# KiCad board EKO_Miner_BM1366-13xx_16-01A.kicad_pcb (continued)
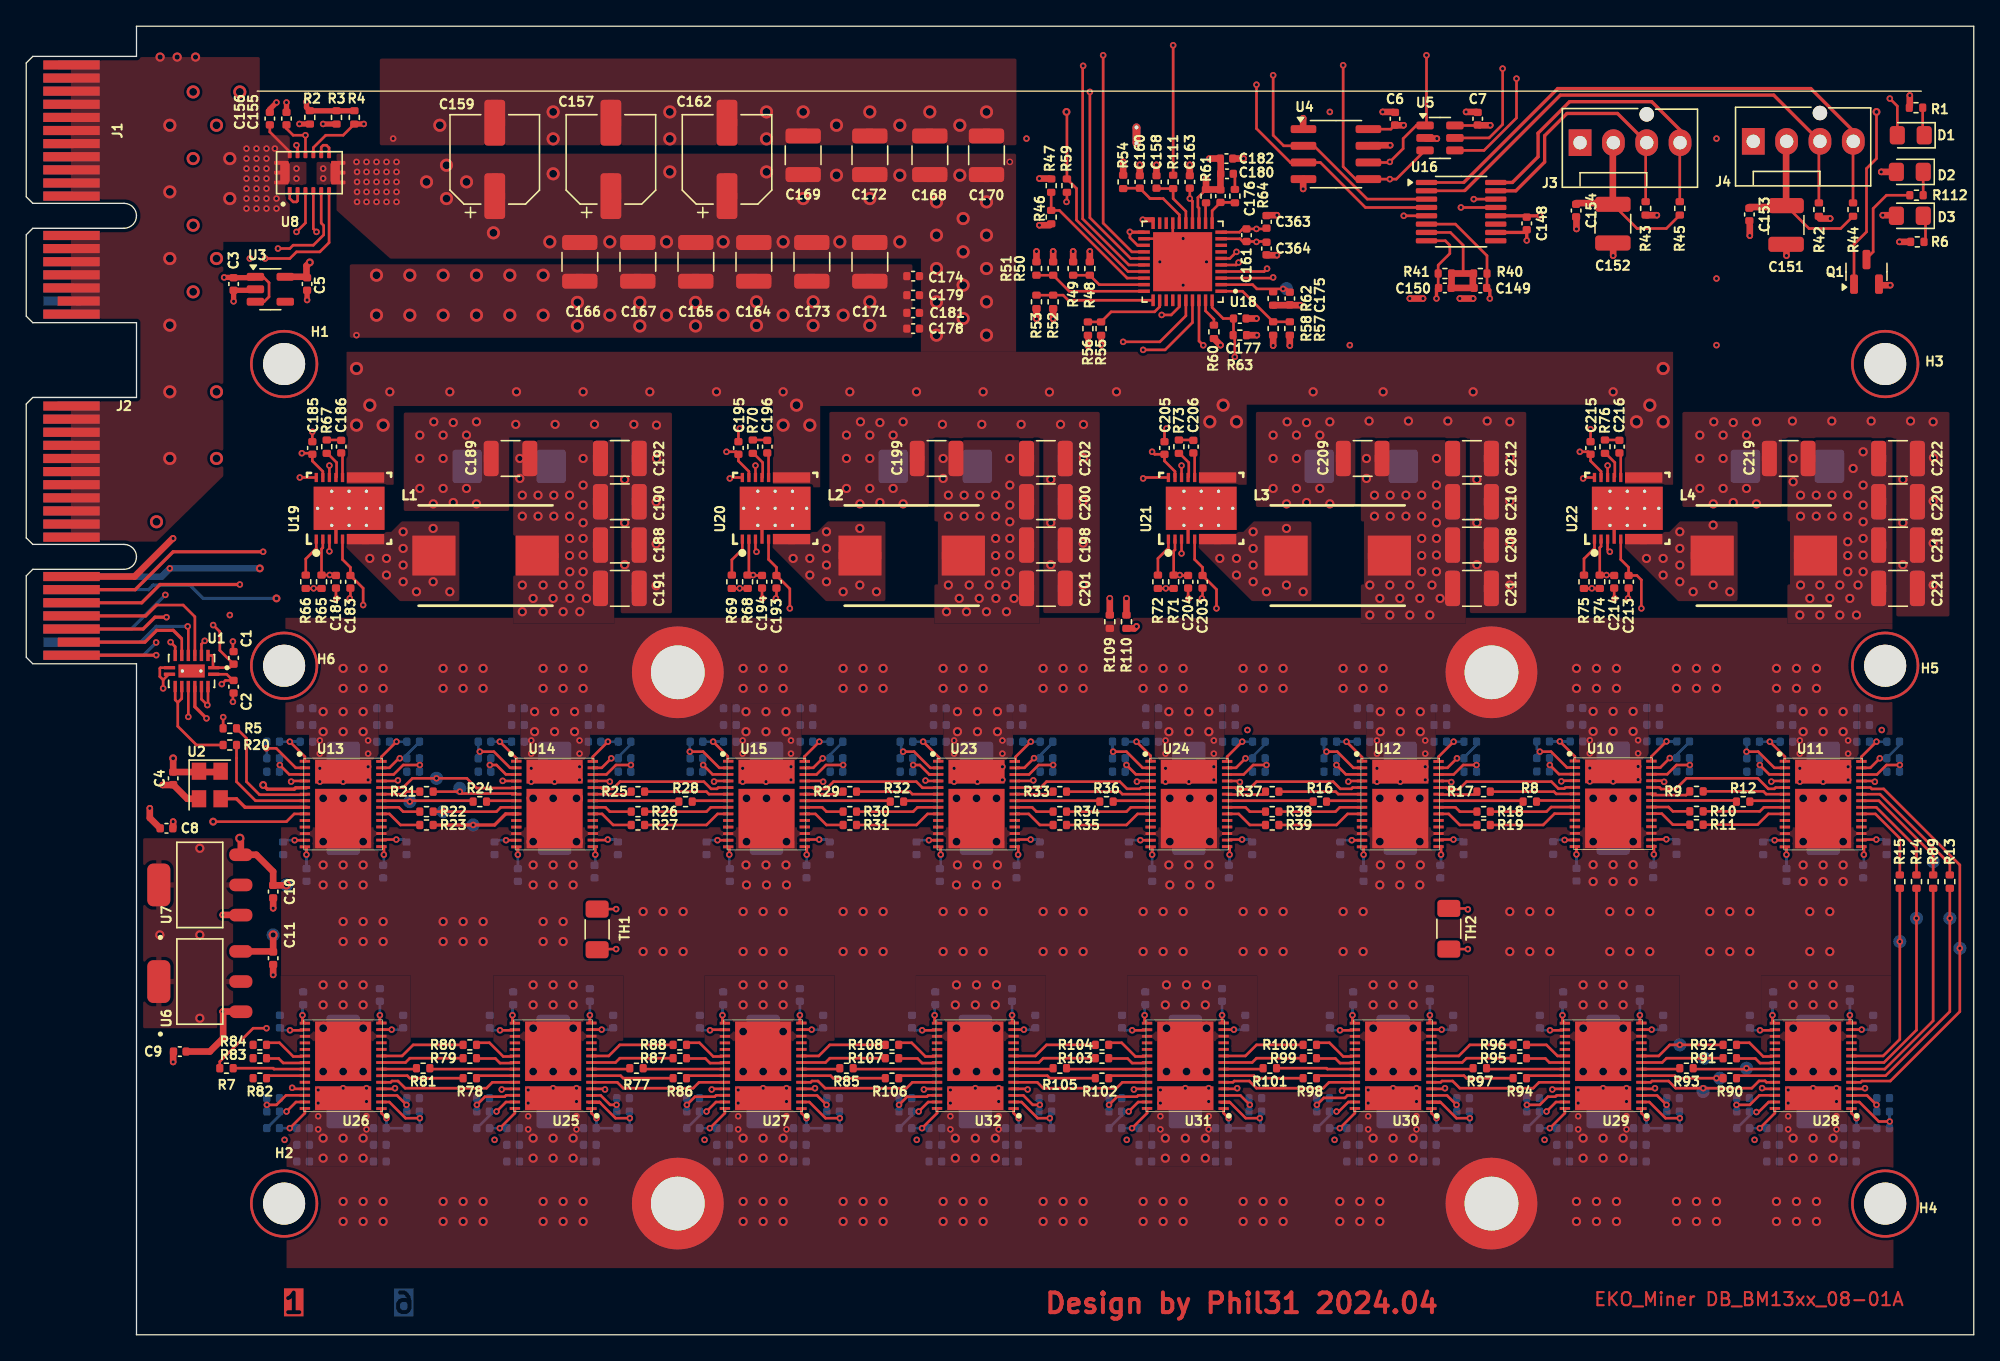
[diagram p0: board, top side]
## Nets (continued)
GND: C1.2 C2.2 C3.2 C4.2 C5.2 C6.2 C7.2 C8.2 C9.2 C10.2 C11.2 C16.1 C18.2 C20.2 C22.2 C23.2 C24.2 C25.2 C26.2 C28.2 C30.2 C32.2 C33.1 C35.2 C37.2 C39.2 C40.2 C41.2 C42.2 C43.2 C45.2 C47.2 C49.2 C50.1 C52.2 C54.2 C56.2 C57.2 C58.2 C59.2 C60.2 C62.2 C64.2 C66.2 C67.1 C69.2 C71.2 C73.2 C74.2 C75.2 C76.2 C77.2 C79.2 C81.2 C83.2 C84.1 C86.2 C88.2 C90.2 C91.2 C92.2 C93.2 C94.2 C96.2 C98.2 C100.2 C101.1 C103.2 C105.2 C107.2 C108.2 C109.2 C110.2 C111.2 C113.2 C115.2 C117.2 C118.1 C120.2 C122.2 C124.2 C125.2 C126.2 C127.2 C128.2 C130.2 C132.2 C134.2 C135.1 C137.2 C139.2 C141.2 C142.2 C143.2 C144.2 C145.2 C147.2 C148.2 C151.2 C152.2 C153.2 C154.2 C155.2 C156.2 C157.2 C158.2 C159.2 C160.2 C162.2 C164.2 C165.2 C166.2 C167.2 C168.2 C169.2 C170.2 C171.2 C172.2 C173.2 C174.2 C178.2 C179.2 C181.2 C183.2 C184.2 C185.2 C187.2 C188.2 C189.2 C190.2 C191.2 C192.2 C193.2 C194.2 C195.2 C197.2 C198.2 C199.2 C200.2 C201.2 C202.2 C203.2 C204.2 C205.2 C207.2 C208.2 C209.2 C210.2 C211.2 C212.2 C213.2 C214.2 C215.2 C217.2 C218.2 C219.2 C220.2 C221.2 C222.2 C224.2 C226.2 C227.1 C229.2 C231.2 C233.2 C234.2 C235.2 C236.2 C237.2 C239.2 C241.2 C243.2 C244.1 C246.2 C248.2 C250.2 C251.2 C252.2 C253.2 C254.2 C256.2 C258.2 C260.2 C261.1 C263.2 C265.2 C267.2 C268.2 C269.2 C270.2 C271.2 C273.2 C275.2 C277.2 C278.1 C280.2 C282.2 C284.2 C285.2 C286.2 C287.2 C288.2 C290.2 C292.2 C294.2 C295.1 C297.2 C299.2 C301.2 C302.2 C303.2 C304.2 C305.2 C307.2 C309.2 C311.2 C312.1 C314.2 C316.2 C318.2 C319.2 C320.2 C321.2 C322.2 C324.2 C326.2 C328.2 C329.1 C331.2 C333.2 C335.2 C336.2 C337.2 C338.2 C339.2 C341.2 C343.2 C345.2 C346.1 C348.2 C350.2 C352.2 C353.2 C354.2 C355.2 C356.2 C358.2 C360.2 C362.2 C365.2 C366.2 C367.2 C368.2 C369.2 C370.2 C371.2 C372.2 C373.2 C374.2 C375.2 C376.2 C377.2 C378.2 C379.2 C380.2 J1.A1 J1.A2 J1.A3 J1.A4 J1.A5 J1.A6 J1.A7 J1.A8 J1.A9 J1.A10 J1.A11 J1.A12 J1.A13 J1.A14 J1.A15 J1.A16 J1.A17 J1.A18 J2.A1 J2.A2 J2.A3 J2.A4 J2.A5 J2.A6 J2.A7 J2.A8 J2.A9 J2.A10 J2.A11 J3.1 J4.1 NT1.1 NT2.1 Q1.2 R1.1 R5.1 R6.1 R110.2 T1.2 U1.3 U1.8 U1.9 U1.14 U1.15 U2.2 U3.2 U4.4 U4.7 U5.2 U6.2 U6.4 U7.2 U7.4 U8.12 U10.4 U10.12 U10.17 U10.25 U10.30 U11.4 U11.12 U11.17 U11.25 U11.30 U12.4 U12.12 U12.17 U12.25 U12.30 U13.4 U13.12 U13.17 U13.25 U13.30 U14.4 U14.12 U14.17 U14.25 U14.30 U15.4 U15.12 U15.17 U15.25 U15.30 U16.5 U16.10 U19.4 U20.4 U21.4 U22.4 U23.4 U23.12 U23.17 U23.25 U23.30 U24.4 U24.12 U24.17 U24.25 U24.30 U25.4 U25.12 U25.17 U25.25 U25.30 U26.4 U26.12 U26.17 U26.25 U26.30 U27.4 U27.12 U27.17 U27.25 U27.30 U28.4 U28.12 U28.17 U28.25 U28.30 U29.4 U29.12 U29.17 U29.25 U29.30 U30.4 U30.12 U30.17 U30.25 U30.30 U31.4 U31.12 U31.17 U31.25 U31.30 U32.4 U32.12 U32.17 U32.25 U32.30
GNDA: C163.2 C175.2 C177.2 C182.2 C363.1 C364.1 R47.2 R49.2 R51.2 R53.2 R56.2 R58.2 R60.1 R62.2 R63.2 T1.1 U18.17 U18.20 U18.22 U18.41
/ASICs/ASICs_BM1366_1/BM1366-0/BI: R5.2 U13.6
/ASICs/ASICs_BM1366_1/BM1366-0/PIN_MODE: U13.18
/ASICs/ASICs_BM1366_1/BM1366-1/PIN_MODE: U14.18
/ASICs/ASICs_BM1366_1/BM1366-2/PIN_MODE: U15.18
/ASICs/ASICs_BM1366_1/BM1366-3/PIN_MODE: U23.18
/ASICs/ASICs_BM1366_1/BM1366-4/PIN_MODE: U24.18
/ASICs/ASICs_BM1366_1/BM1366-5/PIN_MODE: U12.18
/ASICs/ASICs_BM1366_1/BM1366-6/PIN_MODE: U10.18
/ASICs/ASICs_BM1366_1/BM1366-7/BO: R13.2 TP14.1 U28.6
/ASICs/ASICs_BM1366_1/BM1366-7/CLKO: R14.2 TP17.1 U28.8
/ASICs/ASICs_BM1366_1/BM1366-7/CO: R15.2 TP16.1 U28.9
/ASICs/ASICs_BM1366_1/BM1366-7/PIN_MODE: U11.18
/ASICs/ASICs_BM1366_1/BM1366-7/RI: R89.2 TP15.1 U11.22
/ASICs/ASICs_BM1366_1/BM1366-7/RSTO_n: TP18.1 U11.24 U28.5
/ASICs/ASICs_BM1366_1/BO1: R21.2 TP5.1 U14.6
/ASICs/ASICs_BM1366_1/BO2: R25.2 U15.6
/ASICs/ASICs_BM1366_1/BO3: R29.2 U23.6
/ASICs/ASICs_BM1366_1/BO4: R33.2 U24.6
/ASICs/ASICs_BM1366_1/BO5: R37.2 U12.6
/ASICs/ASICs_BM1366_1/BO6: R17.2 U10.6
/ASICs/ASICs_BM1366_1/BO7: R9.2 U11.6
/ASICs/ASICs_BM1366_1/CLKO1: R22.2 TP2.1 U14.8
/ASICs/ASICs_BM1366_1/CLKO2: R26.2 U15.8
/ASICs/ASICs_BM1366_1/CLKO3: R30.2 U23.8
/ASICs/ASICs_BM1366_1/CLKO4: R34.2 U24.8
/ASICs/ASICs_BM1366_1/CLKO5: R38.2 U12.8
/ASICs/ASICs_BM1366_1/CLKO6: R18.2 U10.8
/ASICs/ASICs_BM1366_1/CLKO7: R10.2 U11.8
/ASICs/ASICs_BM1366_1/CO1: R23.2 TP4.1 U14.9
/ASICs/ASICs_BM1366_1/CO2: R27.2 U15.9
/ASICs/ASICs_BM1366_1/CO3: R31.2 U23.9
/ASICs/ASICs_BM1366_1/CO4: R35.2 U24.9
/ASICs/ASICs_BM1366_1/CO5: R39.2 U12.9
/ASICs/ASICs_BM1366_1/CO6: R19.2 U10.9
/ASICs/ASICs_BM1366_1/CO7: R11.2 U11.9
/ASICs/ASICs_BM1366_1/RI1: R24.2 TP3.1 U13.22
/ASICs/ASICs_BM1366_1/RI02: R28.2 U14.22
/ASICs/ASICs_BM1366_1/RI3: R32.2 U15.22
/ASICs/ASICs_BM1366_1/RI4: R36.2 U23.22
/ASICs/ASICs_BM1366_1/RI5: R16.2 U24.22
/ASICs/ASICs_BM1366_1/RI6: R8.2 U12.22
/ASICs/ASICs_BM1366_1/RI7: R12.2 U10.22
/ASICs/ASICs_BM1366_1/RSTO1: TP1.1 U13.24 U14.5
/ASICs/ASICs_BM1366_1/RSTO2: U14.24 U15.5
/ASICs/ASICs_BM1366_1/RSTO3: U15.24 U23.5
/ASICs/ASICs_BM1366_1/RSTO4: U23.24 U24.5
/ASICs/ASICs_BM1366_1/RSTO5: U12.5 U24.24
/ASICs/ASICs_BM1366_1/RSTO6: U10.5 U12.24
/ASICs/ASICs_BM1366_1/RSTO7: U10.24 U11.5
/ASICs/ASICs_BM1366_2/BM1366-0/PIN_MODE: U28.18
/ASICs/ASICs_BM1366_2/BM1366-1/PIN_MODE: U29.18
/ASICs/ASICs_BM1366_2/BM1366-2/PIN_MODE: U30.18
/ASICs/ASICs_BM1366_2/BM1366-3/PIN_MODE: U31.18
/ASICs/ASICs_BM1366_2/BM1366-4/PIN_MODE: U32.18
/ASICs/ASICs_BM1366_2/BM1366-5/PIN_MODE: U27.18
/ASICs/ASICs_BM1366_2/BM1366-6/PIN_MODE: U25.18
/ASICs/ASICs_BM1366_2/BM1366-7/BO: R82.2
/ASICs/ASICs_BM1366_2/BM1366-7/CLKO: R83.2
/ASICs/ASICs_BM1366_2/BM1366-7/CO: R84.2
/ASICs/ASICs_BM1366_2/BM1366-7/PIN_MODE: U26.18
/ASICs/ASICs_BM1366_2/BM1366-7/RI: R7.2 U26.22
/ASICs/ASICs_BM1366_2/BM1366-7/RSTO_n: U26.24
/ASICs/ASICs_BM1366_2/BO1: R90.2 TP13.1 U29.6
/ASICs/ASICs_BM1366_2/BO2: R94.2 U30.6
/ASICs/ASICs_BM1366_2/BO3: R98.2 U31.6
/ASICs/ASICs_BM1366_2/BO4: R102.2 U32.6
/ASICs/ASICs_BM1366_2/BO5: R106.2 U27.6
/ASICs/ASICs_BM1366_2/BO6: R86.2 U25.6
/ASICs/ASICs_BM1366_2/BO7: R78.2 U26.6
/ASICs/ASICs_BM1366_2/CLKO1: R91.2 TP9.1 U29.8
/ASICs/ASICs_BM1366_2/CLKO2: R95.2 U30.8
/ASICs/ASICs_BM1366_2/CLKO3: R99.2 U31.8
/ASICs/ASICs_BM1366_2/CLKO4: R103.2 U32.8
/ASICs/ASICs_BM1366_2/CLKO5: R107.2 U27.8
/ASICs/ASICs_BM1366_2/CLKO6: R87.2 U25.8
/ASICs/ASICs_BM1366_2/CLKO7: R79.2 U26.8
/ASICs/ASICs_BM1366_2/CO1: R92.2 TP12.1 U29.9
/ASICs/ASICs_BM1366_2/CO2: R96.2 U30.9
/ASICs/ASICs_BM1366_2/CO3: R100.2 U31.9
/ASICs/ASICs_BM1366_2/CO4: R104.2 U32.9
/ASICs/ASICs_BM1366_2/CO5: R108.2 U27.9
/ASICs/ASICs_BM1366_2/CO6: R88.2 U25.9
/ASICs/ASICs_BM1366_2/CO7: R80.2 U26.9
/ASICs/ASICs_BM1366_2/RI1: R93.2 TP11.1 U28.22
/ASICs/ASICs_BM1366_2/RI02: R97.2 U29.22
/ASICs/ASICs_BM1366_2/RI3: R101.2 U30.22
/ASICs/ASICs_BM1366_2/RI4: R105.2 U31.22
/ASICs/ASICs_BM1366_2/RI5: R85.2 U32.22
/ASICs/ASICs_BM1366_2/RI6: R77.2 U27.22
/ASICs/ASICs_BM1366_2/RI7: R81.2 U25.22
/ASICs/ASICs_BM1366_2/RSTO1: TP8.1 U28.24 U29.5
/ASICs/ASICs_BM1366_2/RSTO2: U29.24 U30.5
/ASICs/ASICs_BM1366_2/RSTO3: U30.24 U31.5
/ASICs/ASICs_BM1366_2/RSTO4: U31.24 U32.5
/ASICs/ASICs_BM1366_2/RSTO5: U27.5 U32.24
/ASICs/ASICs_BM1366_2/RSTO6: U25.5 U27.24
/ASICs/ASICs_BM1366_2/RSTO7: U25.24 U26.5
/CI: U1.12 U13.9
/CLKI: U2.3 U13.8
/DB_ALERTn_oc: J2.B14 R4.1 U8.10 U18.25
/DB_PGOOD: J2.B13 Q1.1 R59.1 U18.27
/DB_RSTn: J2.B15 U1.4
/DB_RX: J2.B17 U1.6
/DB_SCL: J2.A16 R2.1 U4.6 U5.1 U8.6 U16.14 U18.24
/DB_SDA: J2.B16 R3.1 U4.5 U5.3 U8.5 U16.13 U18.26
/DB_TX: J2.A17 U1.5
/EN_DRV: J2.A13 U19.3 U20.3 U21.3 U22.3
/FAN/FAN1_PWM: J4.4 R44.1 U16.1
/FAN/FAN1_TACH: J4.3 R42.1 U16.2
/FAN/FAN2_PWM: J3.4 R45.1 U16.16
/FAN/FAN2_TACH: J3.3 R43.1 U16.15
/ID0: J2.A18 U4.2 U5.5 U8.3 U16.3
/ID1: J2.B18 U4.3 U5.4 U8.4 U16.4
/PSU_160A/CSP1: R74.2 R75.2 U18.3
/PSU_160A/CSP2: R71.2 R72.2 U18.4
/PSU_160A/CSP3: R68.2 R69.2 U18.5
/PSU_160A/CSP4: R65.2 R66.2 U18.6
/PSU_160A/FFCM: U19.10 U20.10 U21.10 U22.10
/PSU_160A/PWM1: U18.38 U22.12
/PSU_160A/PWM2: U18.37 U21.12
/PSU_160A/PWM3: U18.36 U20.12
/PSU_160A/PWM4: U18.35 U19.12
/PSU_160A/TSEN: C177.1 C185.1 C195.1 C205.1 C215.1 R63.1 U18.40 U19.11 U20.11 U21.11 U22.11
/RO: R20.2 U1.10 U1.11
/RSTIn: U1.13 U13.5
/SPARE_1: J2.A14
/SPARE_2: J2.A15
VPWR_ASIC: C21.2 C22.1 C23.1 C24.1 C25.1 C26.1 C27.1 C38.2 C39.1 C40.1 C41.1 C42.1 C43.1 C44.1 C55.2 C56.1 C57.1 C58.1 C59.1 C60.1 C61.1 C72.2 C73.1 C74.1 C75.1 C76.1 C77.1 C78.1 C89.2 C90.1 C91.1 C92.1 C93.1 C94.1 C95.1 C106.2 C107.1 C108.1 C109.1 C110.1 C111.1 C112.1 C123.2 C124.1 C125.1 C126.1 C127.1 C128.1 C129.1 C140.2 C141.1 C142.1 C143.1 C144.1 C145.1 C146.1 C187.1 C188.1 C189.1 C190.1 C191.1 C192.1 C197.1 C198.1 C199.1 C200.1 C201.1 C202.1 C207.1 C208.1 C209.1 C210.1 C211.1 C212.1 C217.1 C218.1 C219.1 C220.1 C221.1 C222.1 C232.2 C233.1 C234.1 C235.1 C236.1 C237.1 C238.1 C249.2 C250.1 C251.1 C252.1 C253.1 C254.1 C255.1 C266.2 C267.1 C268.1 C269.1 C270.1 C271.1 C272.1 C283.2 C284.1 C285.1 C286.1 C287.1 C288.1 C289.1 C300.2 C301.1 C302.1 C303.1 C304.1 C305.1 C306.1 C317.2 C318.1 C319.1 C320.1 C321.1 C322.1 C323.1 C334.2 C335.1 C336.1 C337.1 C338.1 C339.1 C340.1 C351.2 C352.1 C353.1 C354.1 C355.1 C356.1 C357.1 C365.1 C366.1 C367.1 C368.1 C369.1 C370.1 C371.1 C372.1 C373.1 C374.1 C375.1 C376.1 C377.1 C378.1 C379.1 C380.1 H7.1 H8.1 H11.1 H12.1 L1.2 L2.2 L3.2 L4.2 R109.2 U10.29 U11.29 U12.29 U13.29 U14.29 U15.29 U23.29 U24.29 U25.29 U26.29 U27.29 U28.29 U29.29 U30.29 U31.29 U32.29
VREF: C176.1 C180.1 C182.1 C184.1 C194.1 C204.1 C214.1 R46.1 R48.1 R50.1 R52.1 R55.1 R57.1 R61.2 R65.1 R68.1 R71.1 R74.1 U18.13 U19.2 U20.2 U21.2 U22.2
Net-(C180-Pad2): C180.2 R64.1
Net-(C186-Pad1): C186.1 R67.1
Net-(C196-Pad1): C196.1 R70.1
Net-(C206-Pad1): C206.1 R73.1
Net-(C216-Pad1): C216.1 R76.1
Net-(D1-A): D1.2 U1.7
Net-(D1-K): D1.1 R1.2
Net-(D2-K): D2.1 R112.2
Net-(D3-K): D3.1 R6.2
Net-(NT1-Pad2): NT1.2 TH2.2
Net-(NT2-Pad2): NT2.2 TH1.2
Net-(Q1-D): Q1.3 R112.1
Net-(U8-IN+): U8.1 U8.2
Net-(U8-IN-): U8.8 U8.9
Net-(U10-BO): R9.1 U10.23
Net-(U10-CLKO): R10.1 U10.21
Net-(U10-CO): R11.1 U10.20
Net-(U10-RO): R8.1 U10.7
Net-(U11-BO): R13.1 U11.23
Net-(U11-CLKO): R14.1 U11.21
Net-(U11-CO): R15.1 U11.20
Net-(U11-RO): R12.1 U11.7
Net-(U12-BO): R17.1 U12.23
Net-(U12-CLKO): R18.1 U12.21
Net-(U12-CO): R19.1 U12.20
Net-(U12-RO): R16.1 U12.7
Net-(U13-BO): R21.1 U13.23
Net-(U13-CLKO): R22.1 U13.21
Net-(U13-CO): R23.1 U13.20
Net-(U13-RO): R20.1 U13.7
Net-(U14-BO): R25.1 U14.23
Net-(U14-CLKO): R26.1 U14.21
Net-(U14-CO): R27.1 U14.20
Net-(U14-RO): R24.1 U14.7
Net-(U15-BO): R29.1 U15.23
Net-(U15-CLKO): R30.1 U15.21
Net-(U15-CO): R31.1 U15.20
Net-(U15-RO): R28.1 U15.7
Net-(U16-REF): C149.2 C150.1 R40.1 R41.2 U16.7
Net-(U16-TH1): C149.1 R40.2 TH2.1 U16.6
Net-(U16-TH2): C150.2 R41.1 TH1.1 U16.8
Net-(U18-ADDR_TRISE): R46.2 R47.1 U18.28
Net-(U18-COMP): C176.2 R64.2 U18.11
Net-(U18-F-IMAX): R55.2 R56.1 U18.32
Net-(U18-IMON): C175.1 R62.1 TP10.1 U18.2
Net-(U18-ISUM): R61.1 U18.12
Net-(U18-O-USR): R50.2 R51.1 U18.30
Net-(U18-OCL-R): R57.2 R58.1 U18.1
Net-(U18-SKIP#_NVM): R60.2 U18.39
Net-(U18-SLEW_MODE): R48.2 R49.1 U18.29
Net-(U18-V5): C158.1 R111.1 U18.15
Net-(U18-V12): C160.1 R54.1 U18.16
Net-(U18-VBOOT): R52.2 R53.1 U18.31
Net-(U18-VSN): C161.2 C363.2 R109.1 U18.10
Net-(U18-VSP): C161.1 C364.2 R110.1 U18.9
Net-(U19-BOOT): R67.2 U19.9
Net-(U19-BOOTR): C186.2 U19.8
Net-(U19-IOUT): R66.1 U19.1
Net-(U19-SW): L1.1 U19.6
Net-(U20-BOOT): R70.2 U20.9
Net-(U20-BOOTR): C196.2 U20.8
Net-(U20-IOUT): R69.1 U20.1
Net-(U20-SW): L2.1 U20.6
Net-(U21-BOOT): R73.2 U21.9
Net-(U21-BOOTR): C206.2 U21.8
Net-(U21-IOUT): R72.1 U21.1
Net-(U21-SW): L3.1 U21.6
Net-(U22-BOOT): R76.2 U22.9
Net-(U22-BOOTR): C216.2 U22.8
Net-(U22-IOUT): R75.1 U22.1
Net-(U22-SW): L4.1 U22.6
Net-(U23-BO): R33.1 U23.23
Net-(U23-CLKO): R34.1 U23.21
Net-(U23-CO): R35.1 U23.20
Net-(U23-RO): R32.1 U23.7
Net-(U24-BO): R37.1 U24.23
Net-(U24-CLKO): R38.1 U24.21
Net-(U24-CO): R39.1 U24.20
Net-(U24-RO): R36.1 U24.7
Net-(U25-BO): R78.1 U25.23
Net-(U25-CLKO): R79.1 U25.21
Net-(U25-CO): R80.1 U25.20
Net-(U25-RO): R77.1 U25.7
Net-(U26-BO): R82.1 U26.23
Net-(U26-CLKO): R83.1 U26.21
Net-(U26-CO): R84.1 U26.20
Net-(U26-RO): R81.1 U26.7
Net-(U27-BO): R86.1 U27.23
Net-(U27-CLKO): R87.1 U27.21
Net-(U27-CO): R88.1 U27.20
Net-(U27-RO): R85.1 U27.7
Net-(U28-BO): R90.1 U28.23
Net-(U28-CLKO): R91.1 U28.21
Net-(U28-CO): R92.1 U28.20
Net-(U28-RO): R89.1 U28.7
Net-(U29-BO): R94.1 U29.23
Net-(U29-CLKO): R95.1 U29.21
Net-(U29-CO): R96.1 U29.20
Net-(U29-RO): R93.1 U29.7
Net-(U30-BO): R98.1 U30.23
Net-(U30-CLKO): R99.1 U30.21
Net-(U30-CO): R100.1 U30.20
Net-(U30-RO): R97.1 U30.7
Net-(U31-BO): R102.1 U31.23
Net-(U31-CLKO): R103.1 U31.21
Net-(U31-CO): R104.1 U31.20
Net-(U31-RO): R101.1 U31.7
Net-(U32-BO): R106.1 U32.23
Net-(U32-CLKO): R107.1 U32.21
Net-(U32-CO): R108.1 U32.20
Net-(U32-RO): R105.1 U32.7

Pads without a net: U1 17; U3 4; U10 10 11 19; U11 10 11 19; U12 10 11 19; U13 10 11 19; U14 10 11 19; U15 10 11 19; U16 9 11; U18 7 8 18 19 33 34; U23 10 11 19; U24 10 11 19; U25 10 11 19; U26 10 11 19; U27 10 11 19; U28 10 11 19; U29 10 11 19; U30 10 11 19; U31 10 11 19; U32 10 11 19

## Via types
v1: diameter 0.7, hole 0.4, Top to Bottom, 734 vias
v2: diameter 0.5, hole 0.25, Top to Bottom, 601 vias
v3: diameter 1, hole 0.6, Top to Bottom, 189 vias
v4: diameter 0.6, hole 0.3, Top to Bottom, 8 vias
v5: diameter 0.5, hole 0.3, Top to Bottom, 3 vias

## Routing (per net, layer and track width the routed paths; a pad name or vN(x,y) marks a point on that pad's centre or on a via; arc(x,y) is an arc through that point)
+0.8V: length 85.5
  Top w0.2: v2(68.78,37.7) 68.79,37.7 69.72,37.7 ; v2(52.67,37.7) 52.67,37.7 53.61,37.7 ; v2(123.86,23.26) 123.86,23.26 122.92,23.26 ; 117.05,23.21 v2(116.11,23.21) ; 134.16,37.7 133.23,37.7 v2(133.23,37.7) ; U27.16 52.14,23.25 v2(52.1,23.21) ; 69.21,23.21 v2(68.27,23.21) ; 138.93,23.26 139.86,23.26 v2(139.86,23.26) ; v2(101,37.7) 101.01,37.7 101.94,37.7 ; 43.41,37.71 44.27,37.71 v2(44.31,37.75) ; v2(20.45,37.7) 20.45,37.7 21.38,37.7 ; v2(117.22,37.72) 117.23,37.72 118.16,37.72 ; 107.81,37.75 v2(108.75,37.75) ; v2(36.56,37.7) 36.56,37.7 37.5,37.7 ; v2(92.02,23.26) 92.02,23.26 91.09,23.26 ; v2(107.86,23.26) 107.85,23.26 106.92,23.26 ; v2(84.89,37.7) 84.9,37.7 85.83,37.7 ; 27.26,37.75 v2(28.2,37.75) ; v2(43.85,23.26) 43.84,23.26 42.91,23.26 ; v2(76.02,23.26) 76.02,23.26 75.08,23.26 ; 18.77,29.22 C11.1 ; 133.05,23.21 v2(132.11,23.21) ; 21.04,23.21 v2(20.1,23.21) ; 75.59,37.75 v2(76.53,37.75) ; 26.91,23.26 27.84,23.26 v2(27.85,23.26) ; 91.7,37.75 v2(92.64,37.75) ; 140.03,37.75 v2(140.98,37.75) ; 58.92,23.26 59.85,23.26 v2(59.85,23.26) ; 85.21,23.21 v2(84.27,23.21) ; 37.04,23.21 v2(36.1,23.21) ; 124.03,37.77 v2(124.97,37.77) ; 59.48,37.75 v2(60.42,37.75) ; 101.05,23.21 v2(100.11,23.21)
  Top w0.5: C11.1 v1(18.81,30.48) ; U6.3 18.77,29.22
  In2.Cu w0.5: v2(20.1,23.21) 19.24,22.35 17.8,22.35 16.78,23.37 16.78,26.92 18.81,28.96 v1(18.81,30.48) 18.05,30.48 16.78,31.75 16.78,35.56 18.92,37.7 v2(20.45,37.7)
  Bottom w0.2: C47.1 141.56,37.75 v2(140.98,37.75) ; C275.1 51.51,23.21 v2(52.1,23.21) ; v2(36.1,23.21) 35.51,23.21 C241.1 ; 77.31,37.56 77.12,37.75 v2(76.53,37.75) ; v2(52.67,37.7) 51.93,37.7 51.8,37.56 ; C30.1 125.56,37.77 v2(124.97,37.77) ; v2(76.02,23.26) 76.76,23.26 C348.1 ; v2(60.42,37.75) 61.01,37.75 61.2,37.56 ; v2(20.1,23.21) 19.51,23.21 C258.1 ; v2(92.64,37.75) 93.23,37.75 C224.1 ; C343.1 83.68,23.21 v2(84.27,23.21) ; v2(139.86,23.26) 140.6,23.26 C280.1 ; v2(133.23,37.7) 132.49,37.7 C35.1 ; C246.1 28.58,23.26 v2(27.85,23.26) ; v2(84.89,37.7) 84.16,37.7 C137.1 ; v2(123.86,23.26) 124.6,23.26 C297.1 ; C52.1 100.27,37.7 v2(101,37.7) ; C64.1 109.34,37.75 v2(108.75,37.75) ; v2(59.85,23.26) 60.59,23.26 C263.1 ; v2(68.27,23.21) 67.68,23.21 C360.1 ; C331.1 92.76,23.26 v2(92.02,23.26) ; v2(132.11,23.21) 131.52,23.21 C292.1 ; C314.1 108.59,23.26 v2(107.86,23.26) ; v2(36.56,37.7) 35.82,37.7 C86.1 ; C309.1 115.52,23.21 v2(116.11,23.21) ; 67.91,37.56 68.04,37.7 v2(68.78,37.7) ; C18.1 116.49,37.72 v2(117.22,37.72) ; v2(100.11,23.21) 99.52,23.21 C326.1 ; C81.1 28.79,37.75 v2(28.2,37.75) ; v2(44.31,37.75) 44.9,37.75 C98.1 ; v2(20.45,37.7) 19.71,37.7 C69.1 ; C229.1 44.59,23.26 v2(43.85,23.26)
+1.8V: length 104.7
  Top w0.2: U30.14 106.96,23.88 v2(106.96,24.36) ; U32.15 69.22,23.94 v2(69.22,24.36) ; U29.15 117.06,23.94 v2(117.06,24.36) ; U11.14 134.13,37.08 v2(134.13,36.6) ; U14.14 37.46,37.08 v2(37.46,36.6) ; 53.45,37.19 53.57,37.08 v2(53.57,36.6) ; v2(14.9,49.6) 15.18,49.88 15.75,49.88 15.28,50.35 14.23,50.35 ; v2(107.8,36.6) 107.81,36.61 107.81,37.25 ; U25.15 37.05,23.94 v2(37.05,24.36) ; v2(140.03,36.6) 140.03,36.61 140.03,37.25 ; U28.14 138.96,23.88 v2(138.96,24.36) ; 118.01,37.22 118.12,37.1 v2(118.12,36.62) ; v2(59.47,36.6) 59.48,36.61 59.48,37.25 ; U13.14 21.35,37.08 v2(21.35,36.6) ; 91.7,37.25 91.7,36.61 v2(91.69,36.6) ; v2(21.05,24.36) 21.05,23.94 U26.15 ; 27.26,37.25 27.26,36.61 v2(27.25,36.6) ; v2(85.22,24.36) 85.22,23.94 U31.15 ; v2(75.12,24.36) 75.12,23.88 U32.14 ; v2(26.95,24.36) 26.95,23.88 U26.14 ; v2(101.06,24.36) 101.06,23.94 U30.15 ; v2(75.58,36.6) 75.59,36.61 75.59,37.25 ; U28.15 133.06,23.94 v2(133.06,24.36) ; U31.14 91.12,23.88 v2(91.12,24.36) ; R7.1 14.75,20.83 17.29,23.37 v2(18.31,23.37) ; v2(43.36,36.6) 43.36,37.02 U14.15 ; U27.14 58.95,23.88 v2(58.95,24.36) ; U12.14 101.9,37.08 v2(101.9,36.6) ; v2(122.96,24.36) 122.96,23.88 U29.14 ; U27.15 53.05,23.94 v2(53.05,24.36) ; U24.14 85.79,37.08 v2(85.79,36.6) ; 69.56,37.19 69.68,37.08 v2(69.68,36.6) ; U25.14 42.95,23.88 v2(42.95,24.36) ; 124.03,37.27 124.03,36.63 v2(124.02,36.62)
  Top w0.5: v1(19.83,34.29) 19.8,34.26 C10.1 18.81,35.31 17.53,36.59 U7.3 16.35,37.77 v1(16.27,37.85) ; v4(11.19,43.94) C4.1 14.75,42.9 U2.4
  In2.Cu w0.2: v2(21.05,24.36) 19.3,24.36 v2(18.31,23.37)
  In2.Cu w0.5: v2(21.05,24.36) 21.05,30.41 19.83,31.62 v1(19.83,34.29) 19.83,35.08 v2(21.35,36.6) ; v2(14.9,49.6) 13.3,49.6 11.19,47.5 11.19,40.39 13.73,37.85 v1(16.27,37.85)
  Bottom w0.2: v2(69.22,24.36) 69.22,25.12 C350.1 ; C299.1 117.06,25.12 v2(117.06,24.36) ; v2(133.06,24.36) 133.06,25.12 C282.1 ; v2(106.96,24.36) 106.96,25.42 C324.1 ; v2(138.96,24.36) 138.96,25.42 C290.1 ; v2(85.79,36.6) 85.79,35.54 C147.1 ; v2(124.02,36.62) 124.02,35.86 C20.1 ; C71.1 27.25,35.84 v2(27.25,36.6) ; 53.58,35.53 53.57,35.54 v2(53.57,36.6) ; v2(85.22,24.36) 85.22,25.12 C333.1 ; v2(21.05,24.36) 21.05,25.12 C248.1 ; C273.1 58.95,25.42 v2(58.95,24.36) ; v2(21.35,36.6) 21.35,35.54 C79.1 ; C307.1 122.96,25.42 v2(122.96,24.36) ; v2(140.03,36.6) 140.03,35.84 C37.1 ; v2(75.58,36.6) 75.58,35.84 75.53,35.79 ; C28.1 118.12,35.56 v2(118.12,36.62) ; v2(134.13,36.6) 134.13,35.54 C45.1 ; v2(53.05,24.36) 53.05,25.12 C265.1 ; C341.1 91.12,25.42 v2(91.12,24.36) ; v2(69.68,36.6) 69.68,35.54 ; C316.1 101.06,25.12 v2(101.06,24.36) ; C96.1 37.46,35.54 v2(37.46,36.6) ; C256.1 26.95,25.42 v2(26.95,24.36) ; 59.42,35.79 59.47,35.84 v2(59.47,36.6) ; v2(101.9,36.6) 101.9,35.54 C62.1 ; v2(91.69,36.6) 91.69,35.84 C139.1 ; v2(43.36,36.6) 43.36,35.84 C88.1 ; C239.1 42.95,25.42 v2(42.95,24.36) ; C231.1 37.05,25.12 v2(37.05,24.36) ; v2(75.12,24.36) 75.12,25.42 C358.1 ; C54.1 107.8,35.84 v2(107.8,36.6)
+3.3V_DB: length 62.8
  Top w0.2: 15.75,51.12 15.48,50.85 14.23,50.85 14.23,51.72 14.16,51.78 U1.2 ; C155.1 19.83,91.95 20.34,91.44 v2(21.28,91.44) U8.11 ; v2(14.24,54.1) 14.75,53.59 14.75,52.17 C1.1 ; C6.1 103.99,91.91 U4.8 ; U5.6 110.56,92.19 C7.1
  Top w0.25: v2(115.34,85.32) 115.32,85.3 U16.12
  Top w0.4: v2(21.35,93.98) 21.35,93.56 21.62,93.3 25,93.3
  Top w0.5: 97.3,91.95 v2(97.3,92.74) ; 142.51,88.65 v2(141.35,88.65) ; v4(21.61,81.75) 21.35,81.49 21.35,80.77 ; 110.76,92.2 v2(111.56,92.2) ; U3.5 21.33,80.65 C5.1 ; v2(104.95,92.2) 104.32,92.2 C6.1 ; 142.63,85.34 v2(141.47,85.34) ; 123.46,85.34 v2(124.25,85.34) ; 136.67,85.09 v2(137.46,85.09)
  In2.Cu w0.5: v2(14.24,54.1) 14.24,59.76 17.29,62.81 17.29,75.69 19.07,77.47 21.1,77.47 22.4,78.77 22.4,80.96 v4(21.61,81.75)
+3.3VP: length 18.7
  Top w0.2: 84.1,84.1 84.1,84.08 v2(84.09,84.07) 84.1,84.07 84.1,83.63 84.68,83.05 U18.23 ; R59.2 79.3,86.39 v2(79.27,86.36) ; U18.14 88.87,86.41 v2(88.66,86.61) C163.1
  Top w0.25: U18.21 84.15,84.05 84.1,84.1
  In2.Cu w0.2: v2(79.27,86.36) 80.28,86.36 82.57,84.07 v2(84.09,84.07) 84.09,85.6 85.11,86.61 v2(88.66,86.61)
+5V_PSU: length 200.7
  Top w0.2: U22.5 121.5,59.1 122.1,58.5 C213.1 122.73,57.88 123.07,57.54 v2(123.07,55.37) ; v2(90.7,55.37) 90.7,56.82 C203.1 89.63,58.5 89.03,59.1 U21.5 ; U20.5 56.57,59.1 57.17,58.5 C193.1 58.18,56.86 v2(58.18,55.37) ; v2(25.67,55.63) 25.67,56.91 C183.1 24.7,58.5 24.1,59.1 U19.5
  Top w0.5: U7.1 16.34,32 v2(14.97,32) ; C8.1 9.42,39.4 v2(9.42,40.13) ; C9.1 13.99,21.59 15,22.61 15,24.61 v2(14.97,24.64) 16.34,24.64 U6.1
  In2.Cu w0.5: v2(123.07,55.37) 110.51,55.37 107.71,52.58 94.51,52.58 91.71,55.37 v2(90.7,55.37) 88.41,53.09 60.47,53.09 v2(58.18,55.37) 57.17,55.37 56.66,54.86 47.26,54.86 45.23,52.83 33.04,52.83 32.02,53.85 27.45,53.85 v2(25.67,55.63) 24.66,54.61 19.07,54.61 17.8,55.88 17.8,56.39 v4(17.8,58.42) ; v2(10.94,58.42) 8.91,56.39 8.91,51.82 9.42,51.31 v2(9.42,40.13) 9.42,37.56 v2(14.97,32) v2(14.97,24.64)
  Bottom w0.1: 8.8,57.8 8.81,57.78
  Bottom w0.5: v4(17.8,58.42) v2(10.94,58.42) 10.31,57.78 8.81,57.78 ; J2.A12 8.8,57.8
+5V_STDBY: length 132.1
  Top w0.2: U3.3 18.12,78.75 18.5,79.13 18.5,80.2 18.05,80.65 U3.1 17.39,80.58 ; R111.2 v2(87.39,98.3)
  Top w0.25: 11.16,60.71 v2(11.19,60.71)
  Top w0.4: C3.1 17.39,80.58 ; 15.8,80.6 v2(15.08,80.6)
  Top w0.5: 4.6,57.8 8.26,57.8 11.16,60.71
  In2.Cu w0.4: v2(15.08,80.6) 15.09,80.6
  In2.Cu w0.5: v2(11.19,60.71) 11.19,64.77 12.72,66.29 12.72,76.96 15.09,79.33 15.09,80.6 15.58,81.09 15.58,84.42 14.06,85.93 14.06,89.99 22.37,98.3 v2(87.39,98.3)
+12V_PWR: length 30.6
  Top w0.2: U8.13 20.08,90.18 18.56,91.69 C156.1 ; R44.2 138.26,84.33 135.85,84.33 C151.1 ; C152.1 122.75,84.33 124.97,84.33 R45.2
  Top w0.5: J3.2 120.9,90.84 C152.1 ; 118.1,86.27 120.81,86.27 ; J4.2 134.1,90.94 C151.1 133.99,85.97 131.3,85.97
  vias: v1(10.2,97.4) v1(11.5,97.4) v1(12.9,97.4) v2(16.78,90.42) v2(16.78,89.66) v2(16.78,88.9) v2(16.78,88.14) v2(16.78,87.38) v2(16.78,86.61) v2(16.78,85.85) v2(17.54,90.42) v2(17.54,89.66) v2(17.54,88.9) v2(17.54,88.14) v2(17.54,87.38) v2(17.54,86.61) v2(17.54,85.85) v2(18.31,90.42) v2(18.31,89.66) v2(18.31,88.9) v2(18.31,88.14) v2(18.31,87.38) v2(18.31,86.61) v2(18.31,85.85) v2(18.95,90.42) v2(19.07,86.61) v2(19.07,85.85) v2(20.59,88.9) v2(20.59,88.14) v3(10.94,92.2) v3(10.94,87.12) v3(10.94,82.04) v3(10.94,76.96) v3(10.94,71.88) v3(10.94,66.8) v3(15.51,89.66) v3(15.51,86.61)
/ASICs/ASICs_BM1366_1/BM1366-0/VDD1_0: length 4.3
  Top w0.2: U13.1 21.23,44.06 v2(20.08,45.21)
  Bottom w0.2: v2(20.08,45.21) C72.1 C70.2
/ASICs/ASICs_BM1366_1/BM1366-0/VDD1_1: length 3.3
  Top w0.2: v2(28.21,45.21) 27.06,44.06 U13.28
  Bottom w0.2: C80.1 C78.2
/ASICs/ASICs_BM1366_1/BM1366-0/VDD2_0: length 4.8
  Top w0.2: U13.2 20.53,43.22 19.05,44.7 v2(18.31,44.7)
  Bottom w0.2: C70.1 18.33,44.73 v2(18.31,44.7) 18.33,44.68 C68.2
/ASICs/ASICs_BM1366_1/BM1366-0/VDD2_1: length 3.9
  Top w0.2: U13.27 27.67,43.22 28.39,43.94 v2(28.47,43.94)
  Bottom w0.2: C80.2 29.96,45.18 29,44.22 C82.1 v2(28.47,43.94)
/ASICs/ASICs_BM1366_1/BM1366-0/VDD3_0: length 3.2
  Top w0.2: v2(19.32,43.43) 20.04,42.72 U13.3
  Bottom w0.2: C68.1 19.29,43.46 v2(19.32,43.43) 19.29,43.41 C67.2
/ASICs/ASICs_BM1366_1/BM1366-0/VDD3_1: length 4.3
  Top w0.2: U13.26 27.99,42.71 28.72,43.43 v2(29.99,43.43)
  Bottom w0.2: C82.2 29.96,43.46 v2(29.99,43.43) 29.96,43.41 C83.1
/ASICs/ASICs_BM1366_1/BM1366-1/VDD1_0: length 4.5
  Top w0.2: v2(36.09,45.21) 37.34,43.96 U14.1
  Bottom w0.2: v2(36.09,45.21) C89.1 C87.2
/ASICs/ASICs_BM1366_1/BM1366-1/VDD1_1: length 3.3
  Top w0.2: U14.28 43.17,44.06 v2(44.32,45.21)
  Bottom w0.2: C97.1 C95.2
/ASICs/ASICs_BM1366_1/BM1366-1/VDD2_0: length 4.7
  Top w0.2: v2(34.56,44.45) 35.64,44.45 36.87,43.22 U14.2
  Bottom w0.2: C85.2 34.44,44.33 v2(34.56,44.45) 34.44,44.57 C87.1
/ASICs/ASICs_BM1366_1/BM1366-1/VDD2_1: length 3.9
  Top w0.2: v2(44.58,43.94) 43.85,43.22 U14.27
  Bottom w0.2: v2(44.58,43.94) C99.1 45.11,44.04 46.07,45 C97.2
/ASICs/ASICs_BM1366_1/BM1366-1/VDD3_0: length 3.4
  Top w0.2: v2(35.32,43.43) 35.83,43.43 36.55,42.72 U14.3
  Bottom w0.2: C84.2 35.4,43.35 v2(35.32,43.43) 35.4,43.51 C85.1
/ASICs/ASICs_BM1366_1/BM1366-1/VDD3_1: length 4.2
  Top w0.2: U14.26 43.18,42.71 44.21,42.71 44.93,43.43 v2(46.07,43.43)
  Bottom w0.2: C99.2 C100.1
/ASICs/ASICs_BM1366_1/BM1366-2/VDD1_0: length 4.3
  Top w0.2: 53.45,43.72 53.45,44.1 v2(52.34,45.21)
  Bottom w0.2: v2(52.34,45.21) 53.1,45.21 51.52,45.21
/ASICs/ASICs_BM1366_1/BM1366-2/VDD1_1: length 3.3
  Top w0.2: 59.29,43.71 59.29,44.06 v2(60.43,45.21)
  Bottom w0.2: 61.22,45.21 59.9,45.21
/ASICs/ASICs_BM1366_1/BM1366-2/VDD2_0: length 4.7
  Top w0.2: 53.45,43.22 52.81,43.22 51.58,44.45 v2(50.56,44.45)
  Bottom w0.2: 50.56,45.21 50.56,44.46 v2(50.56,44.45) 50.56,44.44 50.56,43.94
/ASICs/ASICs_BM1366_1/BM1366-2/VDD2_1: length 3.9
  Top w0.2: v2(60.69,43.94) 59.96,43.22 59.29,43.22
  Bottom w0.2: 62.18,45.21 62.18,45.16 61.22,44.2 61.22,43.94 v2(60.69,43.94)
/ASICs/ASICs_BM1366_1/BM1366-2/VDD3_0: length 3.2
  Top w0.2: 53.45,42.72 52.3,42.72 v2(51.58,43.43)
  Bottom w0.2: 51.52,42.93 51.52,43.37 v2(51.58,43.43) 51.52,43.5 51.52,43.94